# Altium PCB Even.PcbDoc (part 1 of 3)
Units mm, origin at the board's own origin, x right, y up, seen from the top; angles counter-clockwise.
Board outline 384.85 x 63.15 mm, 4 copper layers (Top Copper, Signal Layer 1, Signal Layer 2, Bottom Copper), stack 1.57 mm thick; 251 components, 190 nets, 820 pads, 278 vias.
Unrouted connection lines stored in the file: 7.
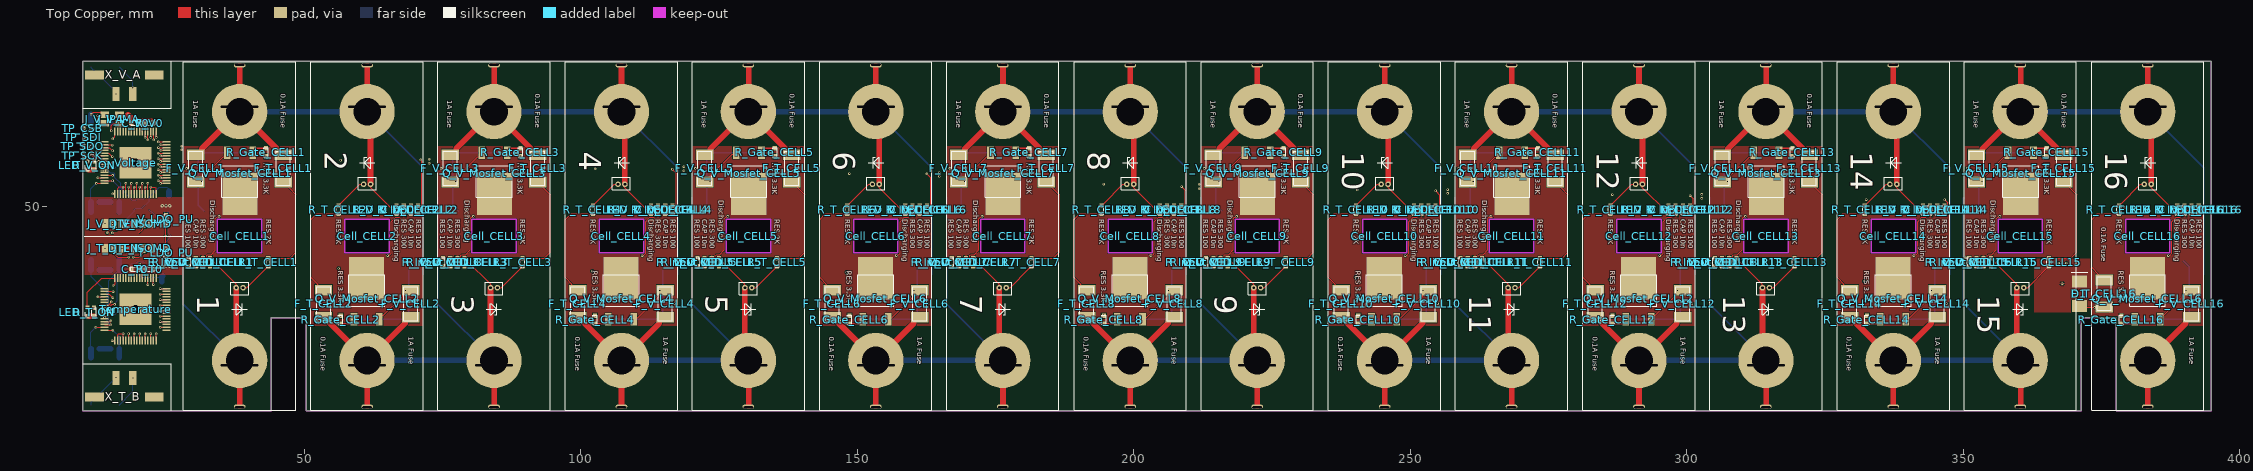
[diagram p0: Top Copper view]
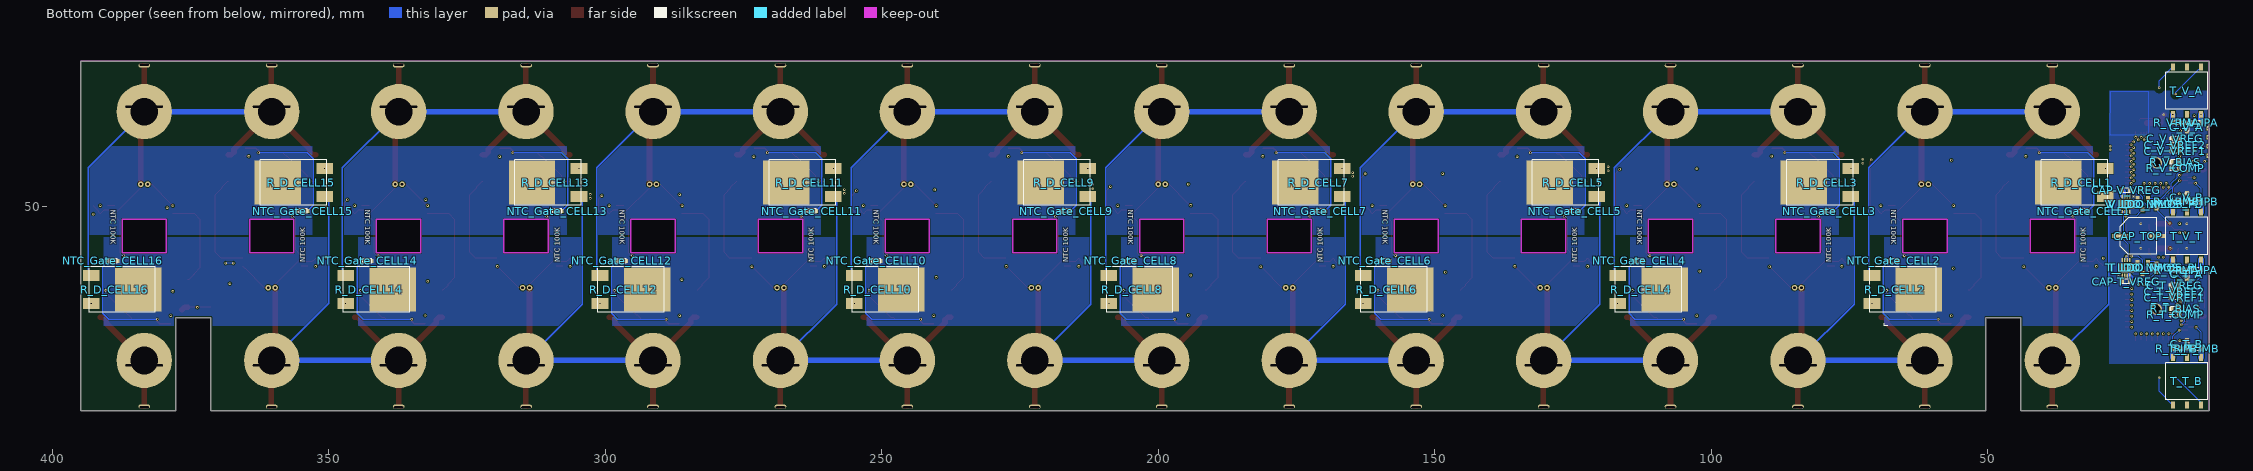
[diagram p1: Bottom Copper view, seen from below]
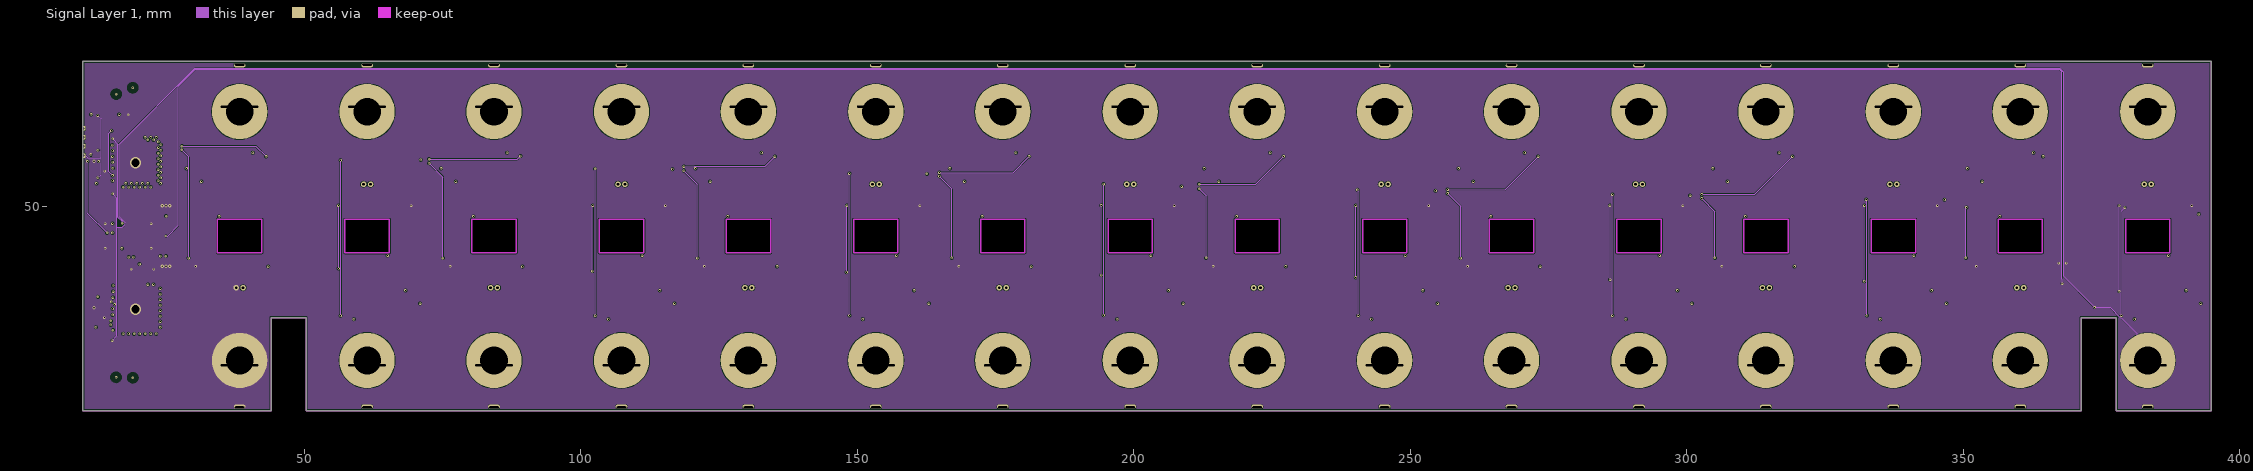
[diagram p2: Signal Layer 1]
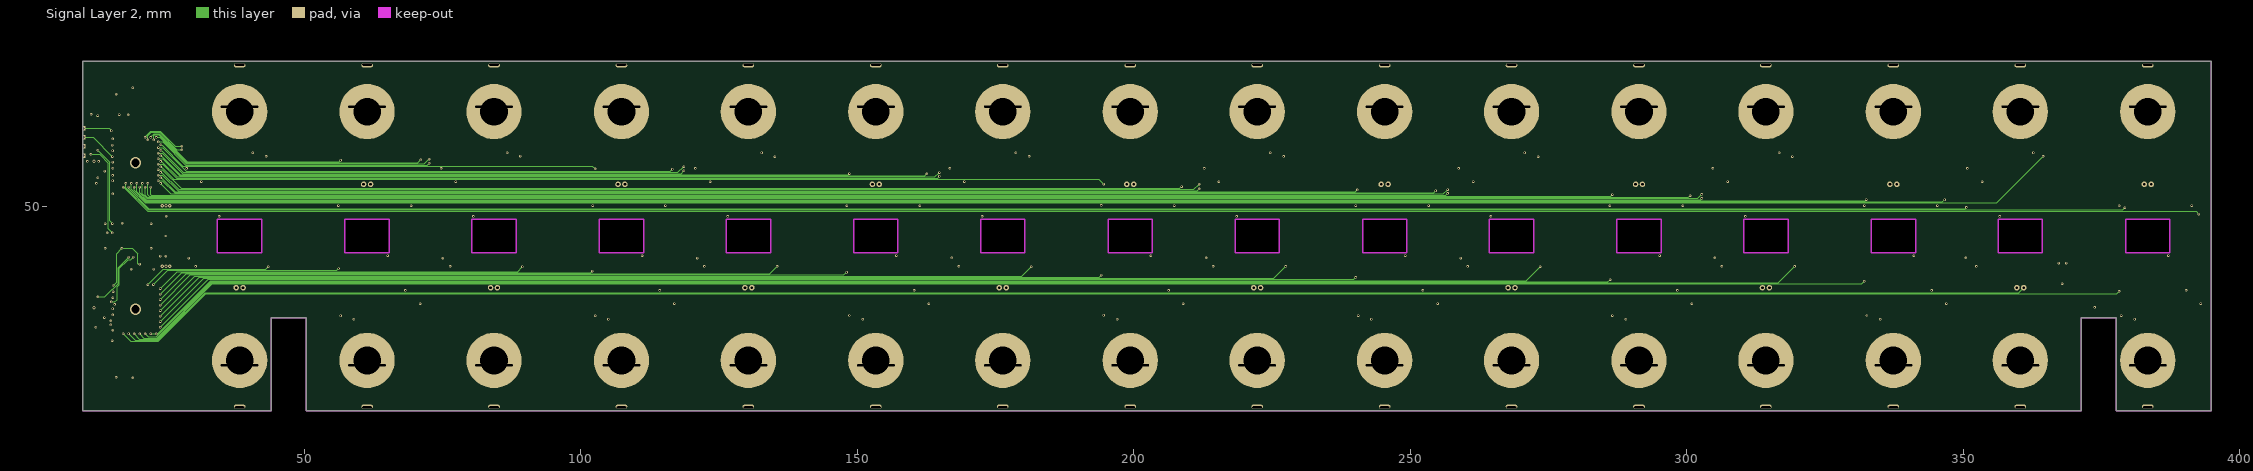
[diagram p3: Signal Layer 2]
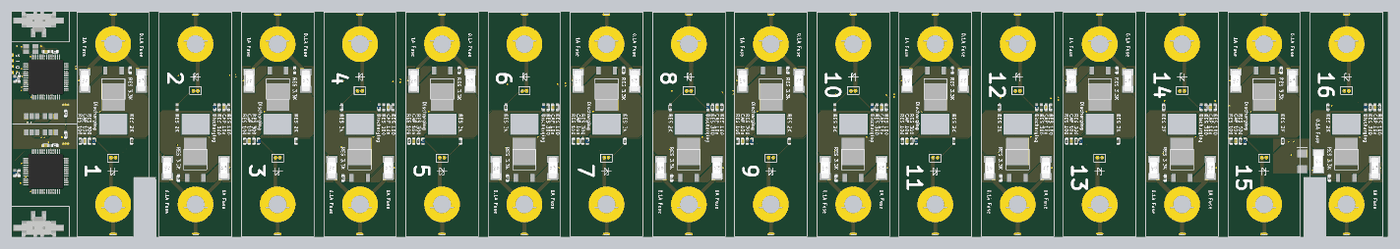
[diagram p6: 3D render of the assembled board from above, using the file's embedded part models]
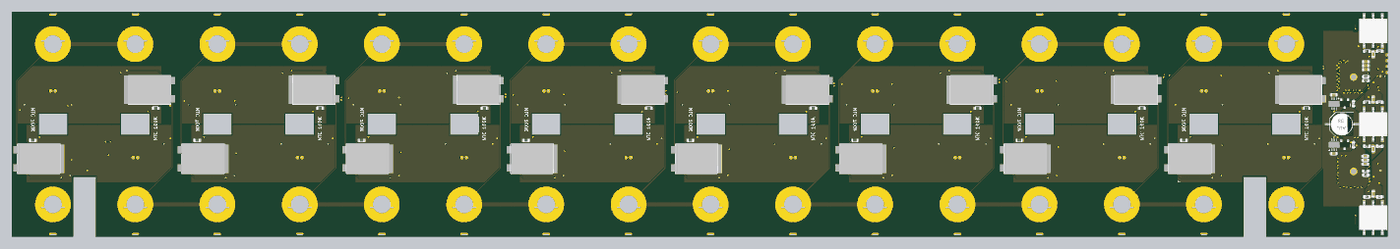
[diagram p7: 3D render of the assembled board from below, using the file's embedded part models]

## Layer stack, top to bottom
Top Mask: solder mask 0.015, Solder Resist, Dk 3.8
Top Copper: signal copper 0.035
Dielectric 1: prepreg 0.2, 7628, Dk 4.6
Signal Layer 1: signal copper 0.0175
Core: core 1.065, FR-4, Dk 4.5
Signal Layer 2: signal copper 0.0175
Dielectric 2: prepreg 0.2, 7628, Dk 4.6
Bottom Copper: signal copper 0.035
Bottom Mask: solder mask 0.015, Solder Resist, Dk 3.8

## Board outline
10,13.175 10,76.325 394.85,76.325 394.85,13.175 377.7,13.175 377.7,30 371.35,30 371.35,13.175 50.35,13.175 50.35,30 44,30 44,13.175

## Design rules (kind name [scope] priority, off if disabled: settings)
BoardOutlineClearance [All] p1: gap=0.25 ignorepadtopadclearanceinfootprint=FALSE
Clearance "Board Edge" [OnLayer('Keep-Out Layer')] p1: gap=0.25 ignorepadtopadclearanceinfootprint=TRUE
Clearance "ISO Clearance" [InNetClass('HV_ISO')] p2: gap=0.8 ignorepadtopadclearanceinfootprint=TRUE
Clearance "Internal Layers" [(OnLayer('Signal Layer 1') OR OnLayer('Signal Layer 2'))] p3: gap=0.102 ignorepadtopadclearanceinfootprint=TRUE
Clearance "External Layers" [(OnLayer('Bottom Copper') OR OnLayer('Top Copper'))] p4: gap=0.15 ignorepadtopadclearanceinfootprint=TRUE
ComponentClearance [All] p1: gap=0.254 collisioncheckmode=3 verticalgap=0 showdistances=FALSE
HoleSize [All] p1: absolutevalues=TRUE maxlimit=6.3 minlimit=0.2 maxpercent=80.000 minpercent=20.000
MinimumSolderMaskSliver [All] p1: minsoldermaskwidth=0.089
PolygonConnect "Power Diode" [HasFootprint('SMB')] p1: connectstyle=Direct reliefconductorwidth=0.254 reliefentries=4 polygonreliefangle="90 Angle" airgapwidth=0.254
PolygonConnect "GND Plane" [InNet('NEG1')] p2: connectstyle=Direct reliefconductorwidth=0.254 reliefentries=4 polygonreliefangle="90 Angle" airgapwidth=0.254
PolygonConnect "Power LDO" [HasFootprint('DFN8')] p3: connectstyle=Direct reliefconductorwidth=0.254 reliefentries=4 polygonreliefangle="90 Angle" airgapwidth=0.254
PolygonConnect "Discharge Mosfet" [HasFootprint('TO252')] p4: connectstyle=Direct reliefconductorwidth=0.254 reliefentries=4 polygonreliefangle="90 Angle" airgapwidth=0.254
PolygonConnect "Discharge NTC" [HasFootprint('NTC-0603')] p5: connectstyle=Direct reliefconductorwidth=0.254 reliefentries=4 polygonreliefangle="90 Angle" airgapwidth=0.254
PolygonConnect "Discharge Resistor" [HasFootprint('TO252-TKH-45')] p6: connectstyle=Direct reliefconductorwidth=0.254 reliefentries=4 polygonreliefangle="90 Angle" airgapwidth=0.254
PolygonConnect [All] p7: connectstyle=Relief reliefconductorwidth=0.254 reliefentries=4 polygonreliefangle="90 Angle" airgapwidth=0.254
RoomDefinition CELL16 [InComponentClass('CELL16')] p1: confinementstyle=ConfineIn formatcopy=TRUE lockcomponents=FALSE outline 394.85,80 371.85,80 371.85,9.5 394.85,9.5
RoomDefinition CELL15 [InComponentClass('CELL15')] p2: confinementstyle=ConfineIn formatcopy=TRUE lockcomponents=FALSE outline 348.85,9.5 371.85,9.5 371.85,80 348.85,80
RoomDefinition CELL14 [InComponentClass('CELL14')] p3: confinementstyle=ConfineIn formatcopy=TRUE lockcomponents=FALSE outline 348.85,80 325.85,80 325.85,9.5 348.85,9.5
RoomDefinition CELL13 [InComponentClass('CELL13')] p4: confinementstyle=ConfineIn formatcopy=TRUE lockcomponents=FALSE outline 302.85,9.5 325.85,9.5 325.85,80 302.85,80
RoomDefinition CELL12 [InComponentClass('CELL12')] p5: confinementstyle=ConfineIn formatcopy=TRUE lockcomponents=FALSE outline 302.85,80 279.85,80 279.85,9.5 302.85,9.5
RoomDefinition CELL11 [InComponentClass('CELL11')] p6: confinementstyle=ConfineIn formatcopy=TRUE lockcomponents=FALSE outline 256.85,9.5 279.85,9.5 279.85,80 256.85,80
RoomDefinition CELL10 [InComponentClass('CELL10')] p7: confinementstyle=ConfineIn formatcopy=TRUE lockcomponents=FALSE outline 256.85,80 233.85,80 233.85,9.5 256.85,9.5
RoomDefinition CELL9 [InComponentClass('CELL9')] p8: confinementstyle=ConfineIn formatcopy=TRUE lockcomponents=FALSE outline 210.85,9.5 233.85,9.5 233.85,80 210.85,80
RoomDefinition CELL8 [InComponentClass('CELL8')] p9: confinementstyle=ConfineIn formatcopy=TRUE lockcomponents=FALSE outline 210.85,80 187.85,80 187.85,9.5 210.85,9.5
RoomDefinition CELL7 [InComponentClass('CELL7')] p10: confinementstyle=ConfineIn formatcopy=TRUE lockcomponents=FALSE outline 164.85,9.5 187.85,9.5 187.85,80 164.85,80
RoomDefinition CELL6 [InComponentClass('CELL6')] p11: confinementstyle=ConfineIn formatcopy=TRUE lockcomponents=FALSE outline 164.85,80 141.85,80 141.85,9.5 164.85,9.5
RoomDefinition CELL5 [InComponentClass('CELL5')] p12: confinementstyle=ConfineIn formatcopy=TRUE lockcomponents=FALSE outline 118.85,9.5 141.85,9.5 141.85,80 118.85,80
RoomDefinition CELL4 [InComponentClass('CELL4')] p13: confinementstyle=ConfineIn formatcopy=TRUE lockcomponents=FALSE outline 118.85,80 95.85,80 95.85,9.5 118.85,9.5
RoomDefinition CELL3 [InComponentClass('CELL3')] p14: confinementstyle=ConfineIn formatcopy=TRUE lockcomponents=FALSE outline 72.85,9.5 95.85,9.5 95.85,80 72.85,80
RoomDefinition CELL2 [InComponentClass('CELL2')] p15: confinementstyle=ConfineIn formatcopy=TRUE lockcomponents=FALSE outline 72.85,80 49.85,80 49.85,9.5 72.85,9.5
RoomDefinition CELL1 [InComponentClass('CELL1')] p16: confinementstyle=ConfineIn formatcopy=TRUE lockcomponents=FALSE outline 26.85,9.5 49.85,9.5 49.85,80 26.85,80
RoutingVias [All] p1: holewidth=0.2 width=0.45 viastyle="Through Hole" minholewidth=0.2 minwidth=0.45 maxholewidth=6.3 maxwidth=10
SilkToSilkClearance [All] p1: silktosilkclearance=0
SilkToSolderMaskClearance [IsPad] p1: minsilkscreentomaskgap=0 clearancetoexposedcopper=TRUE
SolderMaskExpansion [All] p1: expansion=0.025
Width [All] p1: maxlimit=1.016 minlimit=0.102 preferedwidth=0.102
25 further rules are at their usual default settings.

## Classes and differential pairs
net class HV_ISO: T_IMB_ISO T_IPB_ISO V_IMA_ISO V_IPA_ISO
component class Slave: C_T0 C_T_A C_T_B C_T_VREF1 C_T_VREF2 C_T_VREG C_V0 C_V_A C_V_B C_V_VREF1 C_V_VREF2 C_V_VREG CAP-T_VREG CAP-V_VREG CAP_TOP D1 J_T_DTEN J_T_ISOMD J_V_DTEN J_V_IMA J_V_IPA J_V_ISOMD LED_T_ON LED_V_ON R_T0 R_T_BIAS R_T_COMP R_T_IMA R_T_IMB R_T_IPA R_T_IPB R_T_ON R_V0 R_V_BIAS R_V_COMP R_V_IMA R_V_IMB R_V_IPA R_V_IPB R_V_ON T_LDO T_LDO_NMOS T_LDO_NMOS_PU T_LDO_PU T_T_B T_V_A T_V_T Temperature TP_CSB TP_SCK TP_SDI TP_SDO V_LDO V_LDO_NMOS V_LDO_NMOS_PU V_LDO_PU Voltage X_T_B X_V_A
channel class Cell: CELL1 CELL2 CELL3 CELL4 CELL5 CELL6 CELL7 CELL8 CELL9 CELL10 CELL11 CELL12 CELL13 CELL14 CELL15 CELL16
net class V[1..16]: V1 V2 V3 V4 V5 V6 V7 V8 V9 V10 V11 V12 V13 V14 V15 V16
net class T[1..16]: T1 T2 T3 T4 T5 T6 T7 T8 T9 T10 T11 T12 T13 T14 T15 T16
net class S[1..16]: S1 S2 S3 S4 S5 S6 S7 S8 S9 S10 S11 S12 S13 S14 S15 S16
net class NEG[1..16]: NEG1 NEG2 NEG3 NEG4 NEG5 NEG6 NEG7 NEG8 NEG9 NEG10 NEG11 NEG12 NEG13 NEG14 NEG15 NEG16
component class CELL16: C_V_CELL16 Cell_CELL16 F_T_CELL16 F_V_CELL16 LED_V_D_CELL16 NTC_Gate_CELL16 Q_V_Mosfet_CELL16 R_D_CELL16 R_Gate_CELL16 R_Input_CELL16 R_T_CELL16 R_V_D_LED_CELL16
component class CELL15: C_V_CELL15 Cell_CELL15 F_T_CELL15 F_V_CELL15 LED_V_D_CELL15 NTC_Gate_CELL15 Q_V_Mosfet_CELL15 R_D_CELL15 R_Gate_CELL15 R_Input_CELL15 R_T_CELL15 R_V_D_LED_CELL15
component class CELL14: C_V_CELL14 Cell_CELL14 F_T_CELL14 F_V_CELL14 LED_V_D_CELL14 NTC_Gate_CELL14 Q_V_Mosfet_CELL14 R_D_CELL14 R_Gate_CELL14 R_Input_CELL14 R_T_CELL14 R_V_D_LED_CELL14
component class CELL13: C_V_CELL13 Cell_CELL13 F_T_CELL13 F_V_CELL13 LED_V_D_CELL13 NTC_Gate_CELL13 Q_V_Mosfet_CELL13 R_D_CELL13 R_Gate_CELL13 R_Input_CELL13 R_T_CELL13 R_V_D_LED_CELL13
component class CELL12: C_V_CELL12 Cell_CELL12 F_T_CELL12 F_V_CELL12 LED_V_D_CELL12 NTC_Gate_CELL12 Q_V_Mosfet_CELL12 R_D_CELL12 R_Gate_CELL12 R_Input_CELL12 R_T_CELL12 R_V_D_LED_CELL12
component class CELL11: C_V_CELL11 Cell_CELL11 F_T_CELL11 F_V_CELL11 LED_V_D_CELL11 NTC_Gate_CELL11 Q_V_Mosfet_CELL11 R_D_CELL11 R_Gate_CELL11 R_Input_CELL11 R_T_CELL11 R_V_D_LED_CELL11
component class CELL10: C_V_CELL10 Cell_CELL10 F_T_CELL10 F_V_CELL10 LED_V_D_CELL10 NTC_Gate_CELL10 Q_V_Mosfet_CELL10 R_D_CELL10 R_Gate_CELL10 R_Input_CELL10 R_T_CELL10 R_V_D_LED_CELL10
component class CELL9: C_V_CELL9 Cell_CELL9 F_T_CELL9 F_V_CELL9 LED_V_D_CELL9 NTC_Gate_CELL9 Q_V_Mosfet_CELL9 R_D_CELL9 R_Gate_CELL9 R_Input_CELL9 R_T_CELL9 R_V_D_LED_CELL9
component class CELL8: C_V_CELL8 Cell_CELL8 F_T_CELL8 F_V_CELL8 LED_V_D_CELL8 NTC_Gate_CELL8 Q_V_Mosfet_CELL8 R_D_CELL8 R_Gate_CELL8 R_Input_CELL8 R_T_CELL8 R_V_D_LED_CELL8
component class CELL7: C_V_CELL7 Cell_CELL7 F_T_CELL7 F_V_CELL7 LED_V_D_CELL7 NTC_Gate_CELL7 Q_V_Mosfet_CELL7 R_D_CELL7 R_Gate_CELL7 R_Input_CELL7 R_T_CELL7 R_V_D_LED_CELL7
component class CELL6: C_V_CELL6 Cell_CELL6 F_T_CELL6 F_V_CELL6 LED_V_D_CELL6 NTC_Gate_CELL6 Q_V_Mosfet_CELL6 R_D_CELL6 R_Gate_CELL6 R_Input_CELL6 R_T_CELL6 R_V_D_LED_CELL6
component class CELL5: C_V_CELL5 Cell_CELL5 F_T_CELL5 F_V_CELL5 LED_V_D_CELL5 NTC_Gate_CELL5 Q_V_Mosfet_CELL5 R_D_CELL5 R_Gate_CELL5 R_Input_CELL5 R_T_CELL5 R_V_D_LED_CELL5
component class CELL4: C_V_CELL4 Cell_CELL4 F_T_CELL4 F_V_CELL4 LED_V_D_CELL4 NTC_Gate_CELL4 Q_V_Mosfet_CELL4 R_D_CELL4 R_Gate_CELL4 R_Input_CELL4 R_T_CELL4 R_V_D_LED_CELL4
component class CELL3: C_V_CELL3 Cell_CELL3 F_T_CELL3 F_V_CELL3 LED_V_D_CELL3 NTC_Gate_CELL3 Q_V_Mosfet_CELL3 R_D_CELL3 R_Gate_CELL3 R_Input_CELL3 R_T_CELL3 R_V_D_LED_CELL3
component class CELL2: C_V_CELL2 Cell_CELL2 F_T_CELL2 F_V_CELL2 LED_V_D_CELL2 NTC_Gate_CELL2 Q_V_Mosfet_CELL2 R_D_CELL2 R_Gate_CELL2 R_Input_CELL2 R_T_CELL2 R_V_D_LED_CELL2
component class CELL1: C_V_CELL1 Cell_CELL1 F_T_CELL1 F_V_CELL1 LED_V_D_CELL1 NTC_Gate_CELL1 Q_V_Mosfet_CELL1 R_D_CELL1 R_Gate_CELL1 R_Input_CELL1 R_T_CELL1 R_V_D_LED_CELL1

## Components (designator, comment, footprint, x,y, rotation, side; value= is the part's Value field where it differs from the comment)
C_T0 "CAP 10n" CAP-0603 19.45,38.775 r0 top
C_T_A "CAP 10n" CAP-0603 14,37.8 r90 bottom
C_T_B "CAP 10n" CAP-0603 14,25.175 r270 bottom
C_T_VREF1 "CAP 1u" CAP-0603 16.2,33.6 r180 bottom
C_T_VREF2 "CAP 1u" CAP-0603 16.2,34.7 r180 bottom
C_T_VREG "CAP 1u" CAP-0603 16.2,35.8 r180 bottom
C_V0 "CAP 10n" CAP-0603 19.5,65.175 r0 top
C_V_A "CAP 10n" CAP-0603 14,64.425 r90 bottom
C_V_B "CAP 10n" CAP-0603 14,51.7 r270 bottom
C_V_CELL1 "CAP 10n" CAP-0603 30.4,40 r90 top (schematic designator C_V)
C_V_CELL2 "CAP 10n" CAP-0603 69.3,49.5 r270 top (schematic designator C_V)
C_V_CELL3 "CAP 10n" CAP-0603 76.4,40 r90 top (schematic designator C_V)
C_V_CELL4 "CAP 10n" CAP-0603 115.3,49.5 r270 top (schematic designator C_V)
C_V_CELL5 "CAP 10n" CAP-0603 122.4,40 r90 top (schematic designator C_V)
C_V_CELL6 "CAP 10n" CAP-0603 161.3,49.5 r270 top (schematic designator C_V)
C_V_CELL7 "CAP 10n" CAP-0603 168.4,40 r90 top (schematic designator C_V)
C_V_CELL8 "CAP 10n" CAP-0603 207.3,49.5 r270 top (schematic designator C_V)
C_V_CELL9 "CAP 10n" CAP-0603 214.4,40 r90 top (schematic designator C_V)
C_V_CELL10 "CAP 10n" CAP-0603 253.3,49.5 r270 top (schematic designator C_V)
C_V_CELL11 "CAP 10n" CAP-0603 260.4,40 r90 top (schematic designator C_V)
C_V_CELL12 "CAP 10n" CAP-0603 299.3,49.5 r270 top (schematic designator C_V)
C_V_CELL13 "CAP 10n" CAP-0603 306.4,40 r90 top (schematic designator C_V)
C_V_CELL14 "CAP 10n" CAP-0603 345.3,49.5 r270 top (schematic designator C_V)
C_V_CELL15 "CAP 10n" CAP-0603 352.4,40 r90 top (schematic designator C_V)
C_V_CELL16 "CAP 10n" CAP-0603 391.3,49.5 r270 top (schematic designator C_V)
C_V_VREF1 "CAP 1u" CAP-0603 16.1,60.1 r180 bottom
C_V_VREF2 "CAP 1u" CAP-0603 16.1,61.2 r180 bottom
C_V_VREG "CAP 1u" CAP-0603 16.1,62.3 r180 bottom
CAP-T_VREG "10uF" CAP-0603 25,36.5 r180 bottom
CAP-V_VREG "10uF" CAP-0603 25,53 r0 bottom